# KiCad board Mun.kicad_pcb
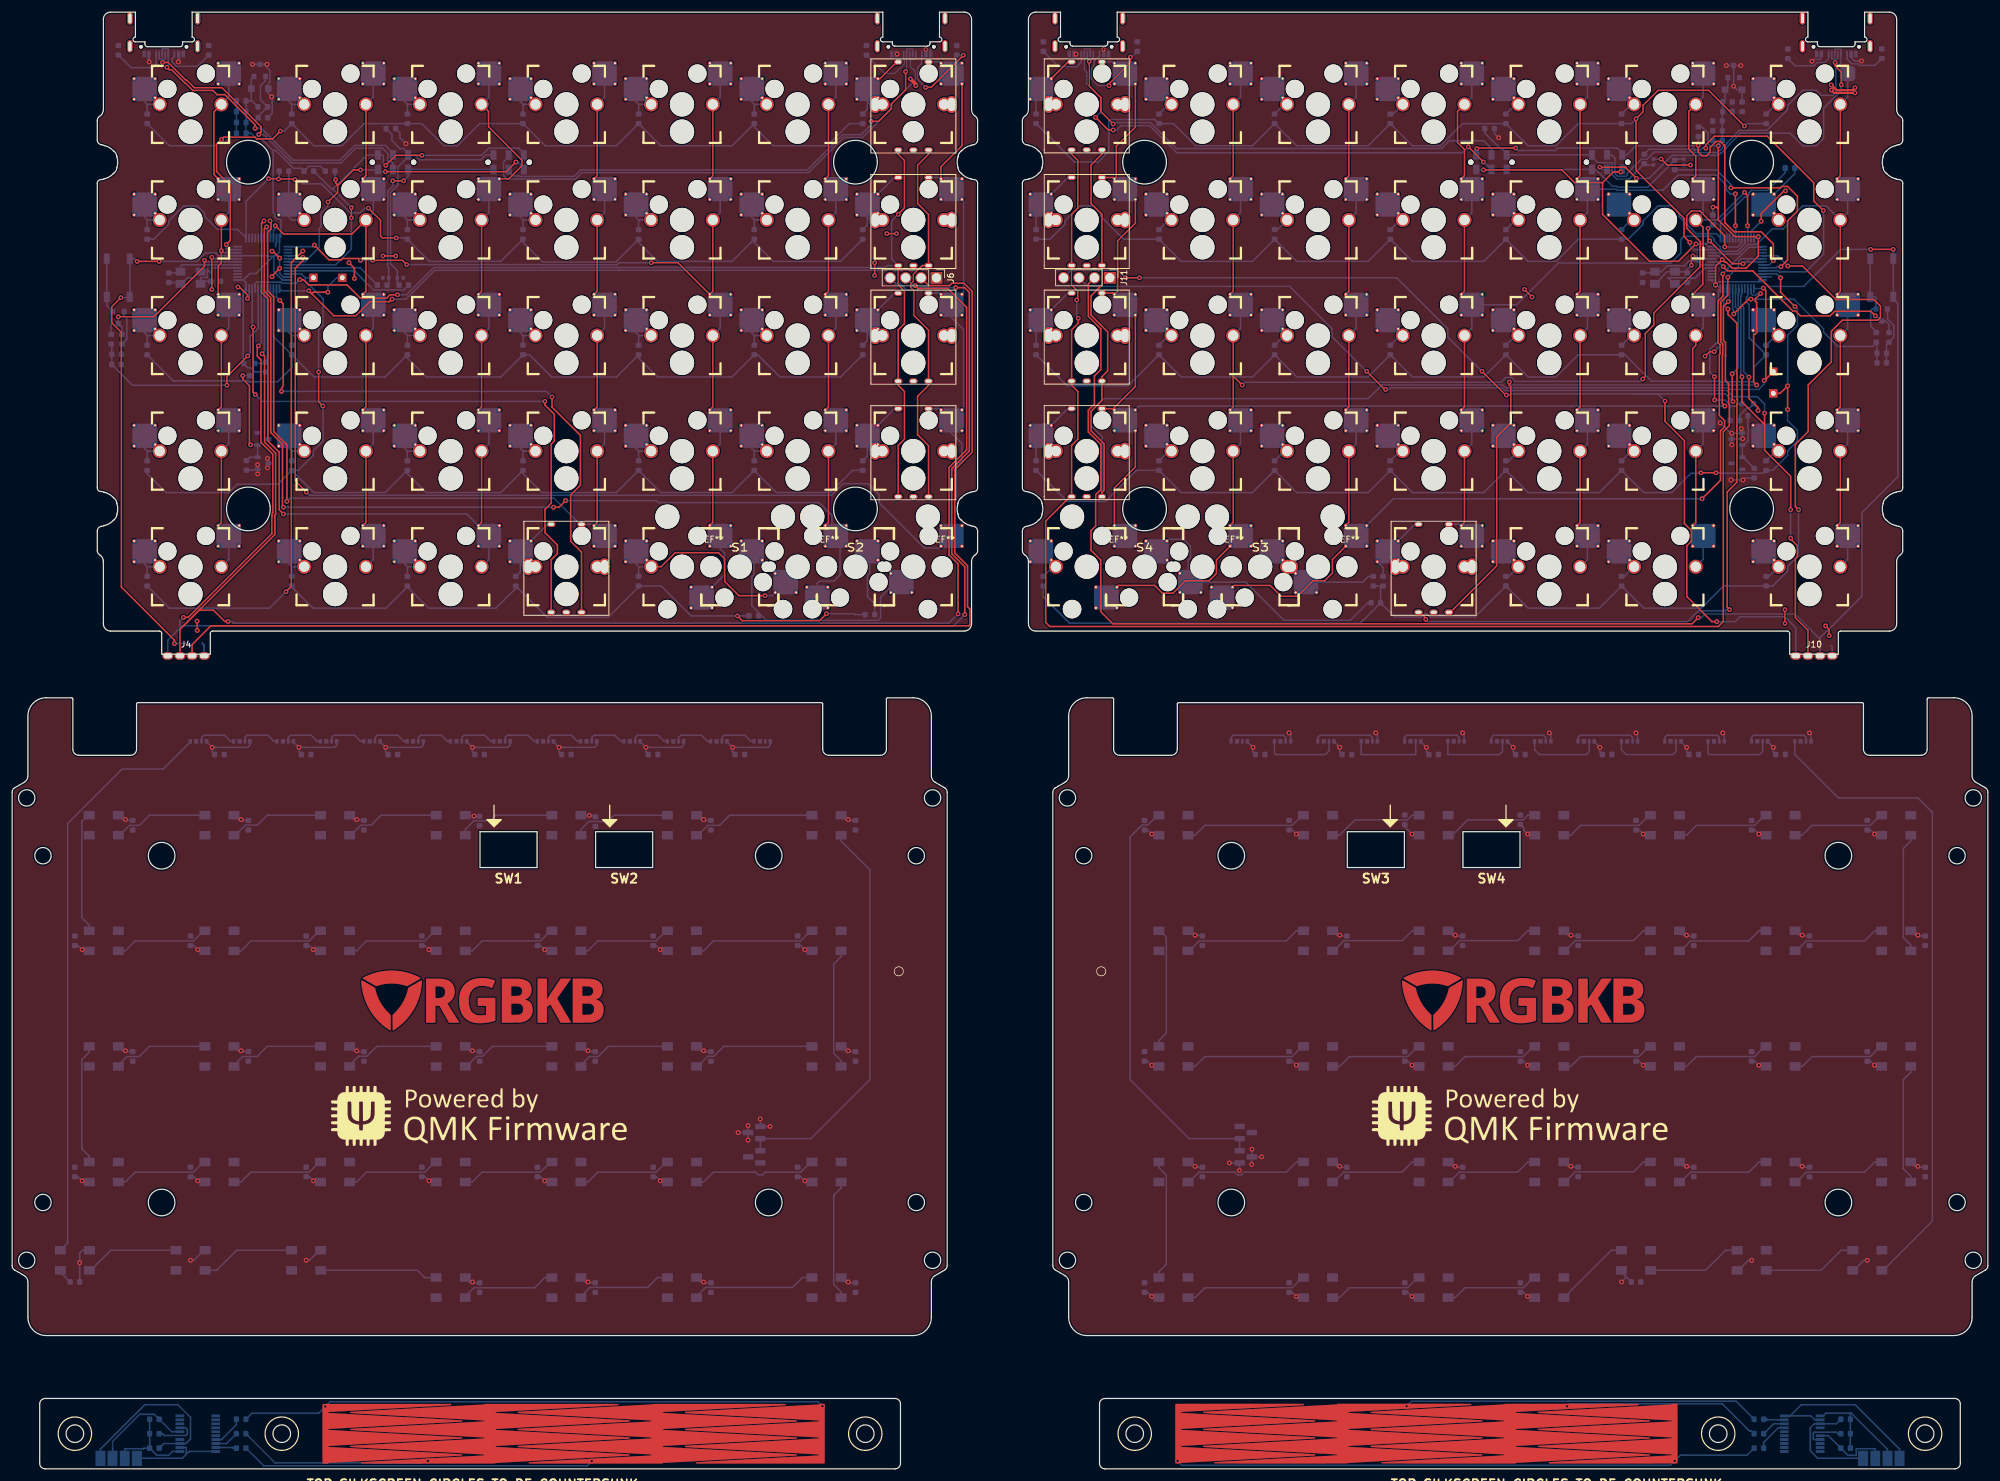
[diagram p0: board, top side]
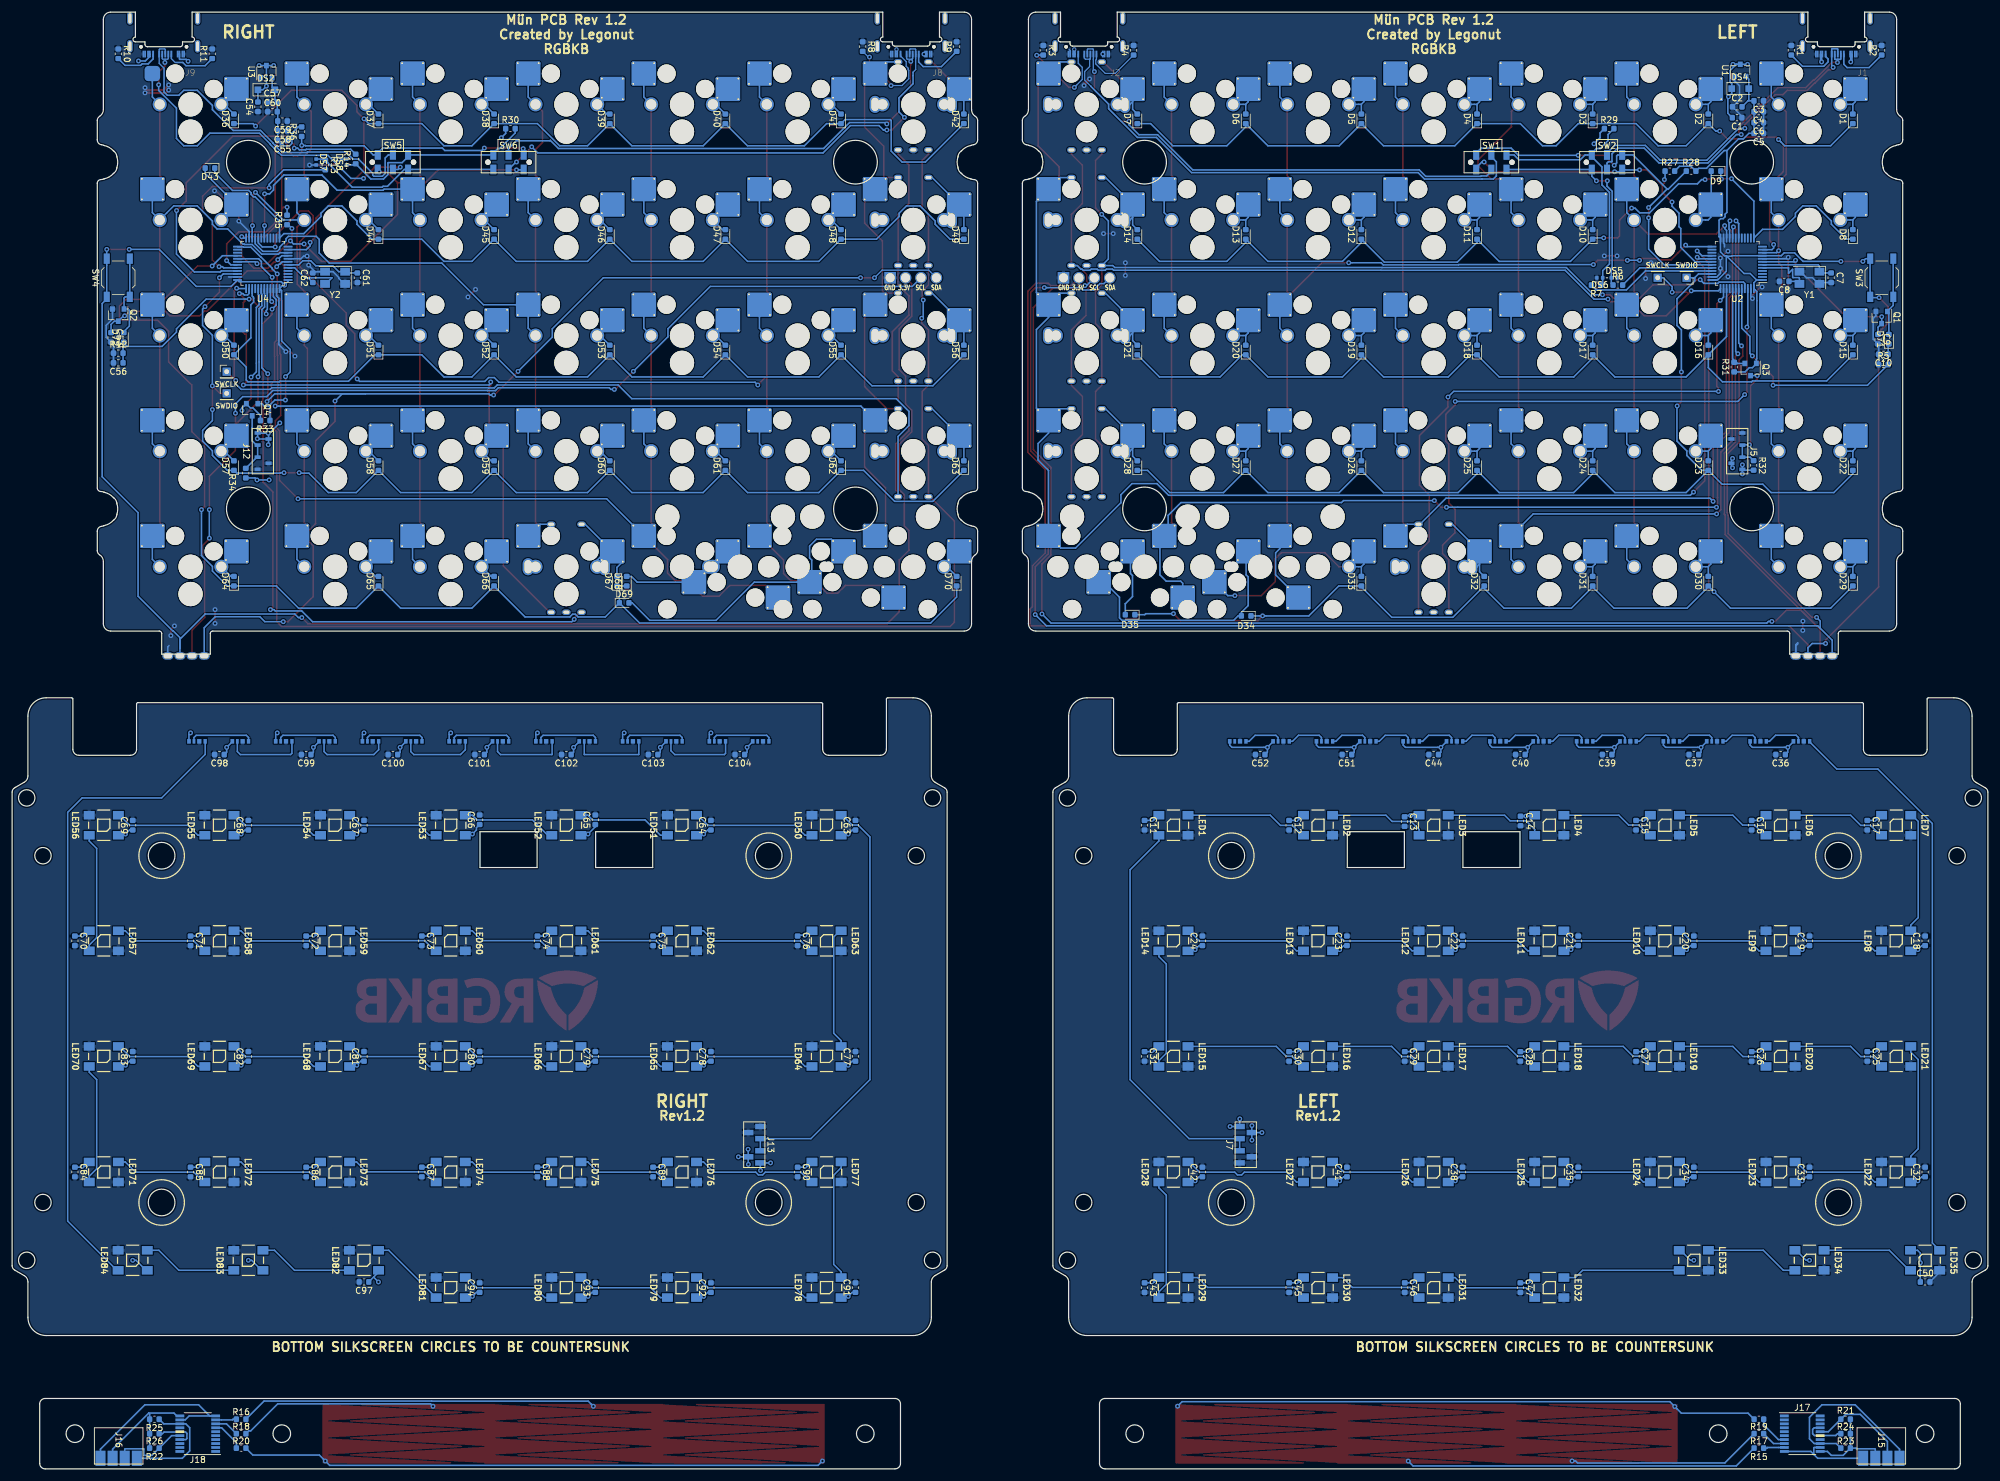
[diagram p1: board, bottom side, seen from below]

Outline 325.48 x 240.08 mm; copper layers: Top, Bottom. Coordinates in mm from the lower left corner of the outline.
Outline path: circle c2.4,110.58 r1.35 ; circle c2.4,34.38 r1.35 ; circle c5.07,101.05 r1.35 ; circle c5.07,43.9 r1.35 ; circle c10.34,5.8 r1.45 ; circle c24.63,101.05 r2.2 ; circle c24.63,43.9 r2.2 ; circle c38.91,215.35 r3.6 ; circle c38.91,158.2 r3.6 ; circle c44.42,5.8 r1.45 ; circle c124.64,101.05 r2.2 ; circle c124.64,43.9 r2.2 ; circle c138.93,215.35 r3.6 ; circle c138.93,158.2 r3.6 ; circle c140.54,5.8 r1.45 ; circle c148.95,101.05 r1.35 ; circle c148.95,43.9 r1.35 ; circle c151.62,110.58 r1.35 ; circle c151.62,34.38 r1.35 ; circle c173.85,110.58 r1.35 ; circle c173.85,34.38 r1.35 ; circle c176.53,101.05 r1.35 ; circle c176.53,43.9 r1.35 ; circle c184.93,5.8 r1.45 ; circle c186.55,215.35 r3.6 ; circle c186.55,158.2 r3.6 ; circle c200.84,101.05 r2.2 ; circle c200.84,43.9 r2.2 ; circle c281.06,5.8 r1.45 ; circle c286.56,215.35 r3.6 ; circle c286.56,158.2 r3.6 ; circle c300.85,101.05 r2.2 ; circle c300.85,43.9 r2.2 ; circle c315.14,5.8 r1.45 ; circle c320.4,101.05 r1.35 ; circle c320.4,43.9 r1.35 ; circle c323.08,110.58 r1.35 ; circle c323.08,34.38 r1.35 ; 0,111.54 arc(0.11,111.94) 0.4,112.23 2,113.16 arc(2.44,113.6) 2.6,114.2 2.6,124.08 arc(3.48,126.2) 5.6,127.08 9.8,127.08 arc(9.94,127.02) 10,126.88 10,118.6 arc(10.29,117.89) 11,117.6 19.5,117.6 arc(20.21,117.89) 20.5,118.6 20.5,126.08 arc(20.56,126.22) 20.7,126.28 133.32,126.28 arc(133.47,126.22) 133.52,126.08 133.52,118.6 arc(133.82,117.89) 134.52,117.6 143.03,117.6 arc(143.73,117.89) 144.03,118.6 144.03,126.88 arc(144.08,127.02) 144.23,127.08 148.43,127.08 arc(150.55,126.2) 151.43,124.08 151.43,114.2 arc(151.59,113.6) 152.03,113.16 153.62,112.23 arc(153.92,111.94) 154.03,111.54 154.03,33.47 arc(153.92,33.07) 153.62,32.77 152.03,31.85 arc(151.59,31.41) 151.43,30.81 151.43,24.98 arc(150.55,22.85) 148.43,21.98 5.6,21.98 arc(3.48,22.85) 2.6,24.98 2.6,30.81 arc(2.44,31.41) 2,31.85 0.4,32.77 arc(0.11,33.07) 0,33.47 0,111.54 ; 4.54,10.7 arc(4.8,11.34) 5.44,11.6 145.44,11.6 arc(146.08,11.34) 146.34,10.7 146.34,0.9 arc(146.08,0.26) 145.44,0 5.44,0 arc(4.8,0.26) 4.54,0.9 4.54,10.7 ; 14.03,222.22 arc(14.13,222.61) 14.41,222.9 arc(14.86,223.37) 15.03,224.01 15.03,238.88 arc(15.38,239.72) 16.23,240.08 20.31,240.08 20.31,235.98 arc(19.9,235.58) 20.31,235.18 21.88,235.18 21.88,234.78 arc(21.99,234.49) 22.28,234.38 27.68,234.38 arc(27.96,234.49) 28.08,234.78 28.08,235.18 29.65,235.18 arc(30.05,235.58) 29.65,235.98 29.65,240.08 143.43,240.08 143.43,235.98 arc(143.03,235.58) 143.43,235.18 145,235.18 145,234.88 arc(145.12,234.59) 145.4,234.48 150.8,234.48 arc(151.08,234.59) 151.2,234.88 151.2,235.18 152.77,235.18 arc(153.17,235.58) 152.77,235.98 152.77,240.08 156.85,240.08 arc(157.7,239.72) 158.05,238.88 158.05,224.01 arc(158.22,223.37) 158.67,222.9 arc(158.95,222.61) 159.05,222.22 159.05,219.01 arc(158.85,218.48) 158.34,218.22 arc(158.17,218.18) 158,218.13 arc(157.93,218.1) 157.86,218.08 arc(157.07,217.77) 156.41,217.25 arc(156.36,217.19) 156.31,217.15 arc(155.99,216.79) 155.83,216.33 arc(155.82,216.26) 155.8,216.19 arc(155.68,215.35) 155.8,214.51 arc(155.82,214.44) 155.83,214.37 arc(155.99,213.91) 156.31,213.55 arc(156.36,213.51) 156.41,213.45 arc(157.08,212.93) 157.86,212.62 arc(157.93,212.6) 158,212.57 arc(158.23,212.5) 158.48,212.48 arc(158.88,212.31) 159.05,211.9 159.05,161.65 arc(158.88,161.24) 158.48,161.07 arc(158.23,161.05) 158,160.98 arc(157.93,160.95) 157.86,160.93 arc(157.07,160.62) 156.41,160.1 arc(156.36,160.04) 156.31,160 arc(155.99,159.64) 155.83,159.18 arc(155.82,159.11) 155.8,159.04 arc(155.68,158.2) 155.8,157.36 arc(155.82,157.29) 155.83,157.22 arc(155.99,156.76) 156.31,156.4 arc(156.36,156.36) 156.41,156.3 arc(157.08,155.78) 157.86,155.47 arc(157.93,155.45) 158,155.42 arc(158.17,155.37) 158.34,155.33 arc(158.85,155.07) 159.05,154.54 159.05,151.33 arc(158.95,150.94) 158.67,150.65 arc(158.22,150.18) 158.05,149.54 158.05,139.28 arc(157.7,138.43) 156.85,138.08 33.04,138.08 arc(32.76,137.96) 32.64,137.68 32.64,134.28 24.64,134.28 24.64,137.68 arc(24.53,137.96) 24.24,138.08 16.23,138.08 arc(15.38,138.43) 15.03,139.28 15.03,149.54 arc(14.86,150.18) 14.41,150.65 arc(14.13,150.94) 14.03,151.33 14.03,154.54 arc(14.23,155.07) 14.74,155.33 arc(14.91,155.37) 15.07,155.42 arc(15.14,155.45) 15.21,155.47 arc(16,155.78) 16.66,156.3 arc(16.71,156.36) 16.77,156.4 arc(17.09,156.76) 17.24,157.22 arc(17.25,157.29) 17.27,157.36 arc(17.4,158.2) 17.27,159.04 arc(17.25,159.11) 17.24,159.18 arc(17.09,159.64) 16.77,160 arc(16.71,160.04) 16.66,160.1 arc(16,160.62) 15.21,160.93 arc(15.14,160.95) 15.07,160.98 arc(14.84,161.05) 14.6,161.07 arc(14.19,161.24) 14.03,161.65 14.03,211.9 arc(14.19,212.31) 14.6,212.48 arc(14.84,212.5) 15.07,212.57 arc(15.14,212.6) 15.21,212.62 arc(16,212.93) 16.66,213.45 arc(16.71,213.51) 16.77,213.55 arc(17.09,213.91) 17.24,214.37 arc(17.25,214.44) 17.27,214.51 arc(17.4,215.35) 17.27,216.19 arc(17.25,216.26) 17.24,216.33 arc(17.09,216.79) 16.77,217.15 arc(16.71,217.19) 16.66,217.25 arc(16,217.77) 15.21,218.08 arc(15.14,218.1) 15.07,218.13 arc(14.91,218.18) 14.74,218.22 arc(14.23,218.48) 14.03,219.01 14.03,222.22 ; 77.08,105 86.48,105 86.48,99.1 77.08,99.1 77.08,105 ; 96.13,105 105.53,105 105.53,99.1 96.13,99.1 96.13,105 ; 166.43,222.22 166.43,219.01 arc(166.63,218.48) 167.13,218.22 arc(167.31,218.18) 167.47,218.13 arc(167.54,218.1) 167.61,218.08 arc(168.4,217.77) 169.06,217.25 arc(169.11,217.19) 169.17,217.15 arc(169.49,216.79) 169.64,216.33 arc(169.65,216.26) 169.67,216.19 arc(169.8,215.35) 169.67,214.51 arc(169.65,214.44) 169.64,214.37 arc(169.49,213.91) 169.17,213.55 arc(169.11,213.51) 169.06,213.45 arc(168.4,212.93) 167.61,212.62 arc(167.54,212.6) 167.47,212.57 arc(167.24,212.5) 167,212.48 arc(166.59,212.31) 166.43,211.9 166.43,161.65 arc(166.59,161.24) 167,161.07 arc(167.24,161.05) 167.47,160.98 arc(167.54,160.95) 167.61,160.93 arc(168.4,160.62) 169.06,160.1 arc(169.11,160.04) 169.17,160 arc(169.49,159.64) 169.64,159.18 arc(169.65,159.11) 169.67,159.04 arc(169.8,158.2) 169.67,157.36 arc(169.65,157.29) 169.64,157.22 arc(169.49,156.76) 169.17,156.4 arc(169.11,156.36) 169.06,156.3 arc(168.4,155.78) 167.61,155.47 arc(167.54,155.45) 167.47,155.42 arc(167.31,155.37) 167.13,155.33 arc(166.63,155.07) 166.42,154.54 166.43,151.33 arc(166.53,150.94) 166.81,150.65 arc(167.26,150.18) 167.43,149.54 167.43,139.28 arc(167.78,138.43) 168.63,138.08 292.43,138.08 arc(292.71,137.96) 292.83,137.68 292.83,134.28 300.83,134.28 300.83,137.68 arc(300.95,137.96) 301.23,138.08 309.25,138.08 arc(310.1,138.43) 310.45,139.28 310.45,149.54 arc(310.62,150.18) 311.07,150.65 arc(311.35,150.94) 311.45,151.33 311.45,154.54 arc(311.25,155.07) 310.74,155.33 arc(310.57,155.37) 310.4,155.42 arc(310.33,155.45) 310.26,155.47 arc(309.48,155.78) 308.81,156.3 arc(308.76,156.36) 308.71,156.4 arc(308.39,156.76) 308.23,157.22 arc(308.22,157.29) 308.2,157.36 arc(308.07,158.2) 308.2,159.04 arc(308.22,159.11) 308.23,159.18 arc(308.39,159.64) 308.71,160 arc(308.76,160.04) 308.81,160.1 arc(309.48,160.62) 310.26,160.93 arc(310.33,160.95) 310.4,160.98 arc(310.63,161.05) 310.88,161.07 arc(311.28,161.24) 311.45,161.65 311.45,211.9 arc(311.28,212.31) 310.88,212.48 arc(310.63,212.5) 310.4,212.57 arc(310.33,212.6) 310.26,212.62 arc(309.48,212.93) 308.81,213.45 arc(308.76,213.51) 308.71,213.55 arc(308.39,213.91) 308.23,214.37 arc(308.22,214.44) 308.2,214.51 arc(308.07,215.35) 308.2,216.19 arc(308.22,216.26) 308.23,216.33 arc(308.39,216.79) 308.71,217.15 arc(308.76,217.19) 308.81,217.25 arc(309.48,217.77) 310.26,218.08 arc(310.33,218.1) 310.4,218.13 arc(310.57,218.18) 310.74,218.22 arc(311.25,218.48) 311.45,219.01 311.45,222.22 arc(311.35,222.61) 311.07,222.9 arc(310.62,223.37) 310.45,224.01 310.45,238.88 arc(310.1,239.72) 309.25,240.08 305.17,240.08 305.17,235.98 arc(305.57,235.58) 305.17,235.18 303.6,235.18 303.6,234.78 arc(303.48,234.49) 303.2,234.38 297.8,234.38 arc(297.52,234.49) 297.4,234.78 297.4,235.18 295.83,235.18 arc(295.43,235.58) 295.83,235.98 295.83,240.08 182.05,240.08 182.05,235.98 arc(182.44,235.58) 182.05,235.18 180.48,235.18 180.48,234.88 arc(180.36,234.59) 180.07,234.48 174.68,234.48 arc(174.39,234.59) 174.28,234.88 174.28,235.18 172.7,235.18 arc(172.3,235.58) 172.7,235.98 172.7,240.08 168.63,240.08 arc(167.78,239.72) 167.43,238.88 167.43,224.01 arc(167.26,223.37) 166.81,222.9 arc(166.53,222.61) 166.43,222.22 ; 171.45,111.54 171.45,33.47 arc(171.56,33.07) 171.85,32.77 173.45,31.85 arc(173.89,31.41) 174.05,30.81 174.05,24.98 arc(174.93,22.85) 177.05,21.98 319.88,21.98 arc(322,22.85) 322.88,24.98 322.88,30.81 arc(323.04,31.41) 323.48,31.85 325.08,32.77 arc(325.37,33.07) 325.48,33.47 325.48,111.54 arc(325.37,111.94) 325.08,112.23 323.48,113.16 arc(323.04,113.6) 322.88,114.2 322.88,124.08 arc(322,126.2) 319.88,127.08 315.68,127.08 arc(315.53,127.02) 315.48,126.88 315.48,118.6 arc(315.18,117.89) 314.48,117.6 305.98,117.6 arc(305.27,117.89) 304.98,118.6 304.98,126.08 arc(304.92,126.22) 304.78,126.28 192.15,126.28 arc(192.01,126.22) 191.95,126.08 191.95,118.6 arc(191.66,117.89) 190.95,117.6 182.45,117.6 arc(181.74,117.89) 181.45,118.6 181.45,126.88 arc(181.39,127.02) 181.25,127.08 177.05,127.08 arc(174.93,126.2) 174.05,124.08 174.05,114.2 arc(173.89,113.6) 173.45,113.16 171.85,112.23 arc(171.56,111.94) 171.45,111.54 ; 179.13,10.7 arc(179.39,11.34) 180.03,11.6 320.04,11.6 arc(320.67,11.34) 320.94,10.7 320.94,0.9 arc(320.67,0.26) 320.04,0 180.03,0 arc(179.39,0.26) 179.13,0.9 179.13,10.7 ; 219.95,105 229.35,105 229.35,99.1 219.95,99.1 219.95,105 ; 239,105 248.4,105 248.4,99.1 239,99.1 239,105

## Placement (name value [footprint] x y rotation side)
C1  100nF  [C_0603_1608Metric]  41.31 222.68 0 bottom
C2  100nF  [C_0603_1608Metric]  41.29 224.48 180 bottom
C3  100nF  [C_0603_1608Metric]  37.74 225.46 0 bottom
C4  100nF  [C_0603_1608Metric]  37.74 223.67 0 bottom
C5  100nF  [C_0603_1608Metric]  37.74 220.1 0 bottom
C6  4.7uF  [C_0603_1608Metric]  37.74 221.89 0 bottom
C7  22pF  [C_0603_1608Metric]  25.81 196.3 270 bottom
C8  22pF  [C_0603_1608Metric]  33.55 195.7 0 bottom
C9  4.7nF  [C_0603_1608Metric]  18.09 186.17 270 bottom
C10  10uF  [C_0603_1608Metric]  17.2 183.69 0 bottom
C11  100nF  [C_0603_1608Metric]  138.92 106.08 270 bottom
C12  100nF  [C_0603_1608Metric]  115.11 106.08 270 bottom
C13  100nF  [C_0603_1608Metric]  96.09 106.68 270 bottom
C14  100nF  [C_0603_1608Metric]  76.99 106.78 270 bottom
C15  100nF  [C_0603_1608Metric]  57.96 106.08 270 bottom
C16  100nF  [C_0603_1608Metric]  38.91 106.08 270 bottom
C17  100nF  [C_0603_1608Metric]  19.86 106.08 270 bottom
C18  100nF  [C_0603_1608Metric]  10.34 87.03 90 bottom
C19  100nF  [C_0603_1608Metric]  29.39 87.03 90 bottom
C20  100nF  [C_0603_1608Metric]  48.44 87.03 90 bottom
C21  100nF  [C_0603_1608Metric]  67.49 87.03 90 bottom
C22  100nF  [C_0603_1608Metric]  86.54 87.03 90 bottom
C23  100nF  [C_0603_1608Metric]  105.59 87.03 90 bottom
C24  100nF  [C_0603_1608Metric]  129.4 87.03 90 bottom
C25  100nF  [C_0603_1608Metric]  19.86 67.98 270 bottom
C26  100nF  [C_0603_1608Metric]  38.91 67.98 270 bottom
C27  100nF  [C_0603_1608Metric]  57.96 67.98 270 bottom
C28  100nF  [C_0603_1608Metric]  77.01 67.98 270 bottom
C29  100nF  [C_0603_1608Metric]  96.06 67.98 270 bottom
C30  100nF  [C_0603_1608Metric]  115.11 67.98 270 bottom
C31  100nF  [C_0603_1608Metric]  138.92 67.98 270 bottom
C32  100nF  [C_0603_1608Metric]  10.34 48.93 90 bottom
C33  100nF  [C_0603_1608Metric]  29.39 48.93 90 bottom
C34  100nF  [C_0603_1608Metric]  48.44 48.93 90 bottom
C35  100nF  [C_0603_1608Metric]  67.49 48.93 90 bottom
C36  100nF  [C_0603_1608Metric]  34.15 117.72 0 bottom
C37  100nF  [C_0603_1608Metric]  48.44 117.72 0 bottom
C38  100nF  [C_0603_1608Metric]  86.54 48.93 90 bottom
C39  100nF  [C_0603_1608Metric]  62.72 117.72 0 bottom
C40  100nF  [C_0603_1608Metric]  77.01 117.72 0 bottom
C41  100nF  [C_0603_1608Metric]  105.59 48.93 90 bottom
C42  100nF  [C_0603_1608Metric]  129.4 48.93 90 bottom
C43  100nF  [C_0603_1608Metric]  138.92 29.88 270 bottom
C44  100nF  [C_0603_1608Metric]  91.3 117.72 0 bottom
C45  100nF  [C_0603_1608Metric]  115.11 29.88 270 bottom
C46  100nF  [C_0603_1608Metric]  96.06 29.88 270 bottom
C47  100nF  [C_0603_1608Metric]  77.01 29.88 270 bottom
C50  100nF  [C_0603_1608Metric]  10.34 30.8 180 bottom
C51  100nF  [C_0603_1608Metric]  105.59 117.72 0 bottom
C52  100nF  [C_0603_1608Metric]  119.87 117.72 0 bottom
C53  4.7nF  [C_0603_1608Metric]  309.18 186.48 270 bottom
C54  100nF  [C_0603_1608Metric]  284.99 224.48 90 bottom
C55  100nF  [C_0603_1608Metric]  280.94 218.93 0 bottom
C56  10uF  [C_0603_1608Metric]  307.99 182.28 0 bottom
C57  100nF  [C_0603_1608Metric]  282.59 225.28 180 bottom
C58  100nF  [C_0603_1608Metric]  280.94 220.53 0 bottom
C59  100nF  [C_0603_1608Metric]  280.94 222.13 0 bottom
C60  4.7uF  [C_0603_1608Metric]  282.59 223.68 180 bottom
C61  22pF  [C_0603_1608Metric]  268.6 196.3 270 bottom
C62  22pF  [C_0603_1608Metric]  275.95 196.3 90 bottom
C63  100nF  [C_0603_1608Metric]  186.55 106.08 90 bottom
C64  100nF  [C_0603_1608Metric]  210.36 106.08 90 bottom
C65  100nF  [C_0603_1608Metric]  229.41 106.98 90 bottom
C66  100nF  [C_0603_1608Metric]  248.46 106.98 90 bottom
C67  100nF  [C_0603_1608Metric]  267.51 106.08 90 bottom
C68  100nF  [C_0603_1608Metric]  286.56 106.08 90 bottom
C69  100nF  [C_0603_1608Metric]  305.61 106.08 90 bottom
C70  100nF  [C_0603_1608Metric]  315.14 87.03 270 bottom
C71  100nF  [C_0603_1608Metric]  296.09 87.03 270 bottom
C72  100nF  [C_0603_1608Metric]  277.04 87.03 270 bottom
C73  100nF  [C_0603_1608Metric]  257.99 87.03 270 bottom
C74  100nF  [C_0603_1608Metric]  238.94 87.03 270 bottom
C75  100nF  [C_0603_1608Metric]  219.89 87.03 270 bottom
C76  100nF  [C_0603_1608Metric]  196.08 87.03 270 bottom
C77  100nF  [C_0603_1608Metric]  186.55 67.98 90 bottom
C78  100nF  [C_0603_1608Metric]  210.36 67.98 90 bottom
C79  100nF  [C_0603_1608Metric]  229.41 67.98 90 bottom
C80  100nF  [C_0603_1608Metric]  248.46 67.98 90 bottom
C81  100nF  [C_0603_1608Metric]  267.51 67.98 90 bottom
C82  100nF  [C_0603_1608Metric]  286.56 67.98 90 bottom
C83  100nF  [C_0603_1608Metric]  305.61 67.98 90 bottom
C84  100nF  [C_0603_1608Metric]  315.14 48.93 270 bottom
C85  100nF  [C_0603_1608Metric]  296.09 48.93 270 bottom
C86  100nF  [C_0603_1608Metric]  277.04 48.93 270 bottom
C87  100nF  [C_0603_1608Metric]  257.99 48.93 270 bottom
C88  100nF  [C_0603_1608Metric]  238.94 48.93 270 bottom
C89  100nF  [C_0603_1608Metric]  219.89 48.93 270 bottom
C90  100nF  [C_0603_1608Metric]  196.07 48.93 270 bottom
C91  100nF  [C_0603_1608Metric]  186.55 29.88 90 bottom
C92  100nF  [C_0603_1608Metric]  210.36 29.88 90 bottom
C93  100nF  [C_0603_1608Metric]  229.41 29.88 90 bottom
C94  100nF  [C_0603_1608Metric]  248.46 29.88 90 bottom
C97  100nF  [C_0603_1608Metric]  267.51 30.8 0 bottom
C98  100nF  [C_0603_1608Metric]  291.32 117.72 0 bottom
C99  100nF  [C_0603_1608Metric]  277.04 117.72 0 bottom
C100  100nF  [C_0603_1608Metric]  262.75 117.72 0 bottom
C101  100nF  [C_0603_1608Metric]  248.46 117.72 0 bottom
C102  100nF  [C_0603_1608Metric]  234.17 117.72 0 bottom
C103  100nF  [C_0603_1608Metric]  219.89 117.72 0 bottom
C104  100nF  [C_0603_1608Metric]  205.6 117.72 0 bottom
D1  D  [D_0603_1608Metric]  22.24 222.49 90 bottom
D2  D  [D_0603_1608Metric]  46.06 222.49 90 bottom
D3  D  [D_0603_1608Metric]  65.11 222.49 90 bottom
D4  D  [D_0603_1608Metric]  84.16 222.49 90 bottom
D5  D  [D_0603_1608Metric]  103.21 222.49 90 bottom
D6  D  [D_0603_1608Metric]  122.26 222.49 90 bottom
D7  D  [D_0603_1608Metric]  140.12 222.49 90 bottom
D8  D  [D_0603_1608Metric]  22.24 203.44 90 bottom
D9  D  [D_0603_1608Metric]  44.79 213.88 0 bottom
D10  D  [D_0603_1608Metric]  65.11 203.44 90 bottom
D11  D  [D_0603_1608Metric]  84.16 203.44 90 bottom
D12  D  [D_0603_1608Metric]  103.21 203.44 90 bottom
D13  D  [D_0603_1608Metric]  122.26 203.44 90 bottom
D14  D  [D_0603_1608Metric]  140.12 203.44 90 bottom
D15  D  [D_0603_1608Metric]  22.24 184.39 90 bottom
D16  D  [D_0603_1608Metric]  46.06 184.39 90 bottom
D17  D  [D_0603_1608Metric]  65.11 184.39 90 bottom
D18  D  [D_0603_1608Metric]  84.16 184.39 90 bottom
D19  D  [D_0603_1608Metric]  103.21 184.39 90 bottom
D20  D  [D_0603_1608Metric]  122.26 184.39 90 bottom
D21  D  [D_0603_1608Metric]  140.12 184.39 90 bottom
D22  D  [D_0603_1608Metric]  22.24 165.34 90 bottom
D23  D  [D_0603_1608Metric]  46.06 165.34 90 bottom
D24  D  [D_0603_1608Metric]  65.11 165.34 90 bottom
D25  D  [D_0603_1608Metric]  84.16 165.34 90 bottom
D26  D  [D_0603_1608Metric]  103.21 165.34 90 bottom
D27  D  [D_0603_1608Metric]  122.26 165.34 90 bottom
D28  D  [D_0603_1608Metric]  140.12 165.34 90 bottom
D29  D  [D_0603_1608Metric]  22.24 146.29 90 bottom
D30  D  [D_0603_1608Metric]  46.06 146.29 90 bottom
D31  D  [D_0603_1608Metric]  65.11 146.29 90 bottom
D32  D  [D_0603_1608Metric]  82.96 146.29 90 bottom
D33  D  [D_0603_1608Metric]  103.21 146.29 90 bottom
D34  D  [D_0603_1608Metric]  122.19 140.58 0 bottom
D35  D  [D_0603_1608Metric]  141.31 140.78 0 bottom
D36  D  [D_0603_1608Metric]  288.94 222.49 90 bottom
D37  D  [D_0603_1608Metric]  265.13 222.49 90 bottom
D38  D  [D_0603_1608Metric]  246.08 222.49 90 bottom
D39  D  [D_0603_1608Metric]  227.03 222.49 90 bottom
D40  D  [D_0603_1608Metric]  207.98 222.49 90 bottom
D41  D  [D_0603_1608Metric]  188.93 222.49 90 bottom
D42  D  [D_0603_1608Metric]  168.69 222.49 90 bottom
D43  D  [D_0603_1608Metric]  292.89 214.38 0 bottom
D44  D  [D_0603_1608Metric]  265.13 203.44 90 bottom
D45  D  [D_0603_1608Metric]  246.08 203.44 90 bottom
D46  D  [D_0603_1608Metric]  227.03 203.44 90 bottom
D47  D  [D_0603_1608Metric]  207.98 203.44 90 bottom
D48  D  [D_0603_1608Metric]  188.93 203.44 90 bottom
D49  D  [D_0603_1608Metric]  168.69 203.44 90 bottom
D50  D  [D_0603_1608Metric]  288.94 184.39 90 bottom
D51  D  [D_0603_1608Metric]  265.13 184.39 90 bottom
D52  D  [D_0603_1608Metric]  246.08 184.39 90 bottom
D53  D  [D_0603_1608Metric]  227.03 184.39 90 bottom
D54  D  [D_0603_1608Metric]  207.98 184.39 90 bottom
D55  D  [D_0603_1608Metric]  188.93 184.39 90 bottom
D56  D  [D_0603_1608Metric]  168.69 184.39 90 bottom
D57  D  [D_0603_1608Metric]  288.94 165.34 90 bottom
D58  D  [D_0603_1608Metric]  265.13 165.34 90 bottom
D59  D  [D_0603_1608Metric]  246.08 165.34 90 bottom
D60  D  [D_0603_1608Metric]  227.03 165.34 90 bottom
D61  D  [D_0603_1608Metric]  207.98 165.34 90 bottom
D62  D  [D_0603_1608Metric]  188.93 165.34 90 bottom
D63  D  [D_0603_1608Metric]  168.69 165.34 90 bottom
D64  D  [D_0603_1608Metric]  288.94 146.29 90 bottom
D65  D  [D_0603_1608Metric]  265.13 146.29 90 bottom
D66  D  [D_0603_1608Metric]  246.08 146.29 90 bottom
D67  D  [D_0603_1608Metric]  225.84 146.29 90 bottom
D68  D  [D_0603_1608Metric]  224.24 146.29 90 bottom
D69  D  [D_0603_1608Metric]  224.65 142.72 180 bottom
D70  D  [D_0603_1608Metric]  169.88 146.29 90 bottom
D71  D  [D_0603_1608Metric]  16.31 186.17 90 bottom
D72  D  [D_0603_1608Metric]  307.09 186.48 90 bottom
DS2  1N4007  [D_SOD-123F]  283.59 227.28 180 bottom
DS4  1N4007  [D_SOD-123F]  40.79 227.48 180 bottom
DS5  GG0402052R542P  [D_0402_1005Metric]  61.55 196.29 180 bottom
DS6  GG0402052R542P  [D_0402_1005Metric]  63.93 196.29 0 bottom
DS7  GG0402052R542P  [D_0402_1005Metric]  275.39 215.38 270 bottom
DS8  GG0402052R542P  [D_0402_1005Metric]  270.39 215.38 90 bottom
E1  -  [encoder]  148.47 224.86 270 top
E2  -  [encoder]  148.47 205.81 270 top
E3  -  [encoder]  148.47 186.76 270 top
E4  -  [encoder]  148.47 167.71 270 top
E5  -  [encoder]  91.3 148.67 270 top
E6  -  [encoder]  177.02 224.88 270 top
E7  -  [encoder]  177.02 205.83 270 top
E8  -  [encoder]  177.02 186.78 270 top
E9  -  [encoder]  177.02 167.73 270 top
E10  -  [encoder]  234.17 148.68 270 top
G***  LOGO  [Mun_touch_encoder_pads]  92.48 5.8 0 top
G***#2  LOGO  [Mun_touch_encoder_pads]  232.99 5.8 180 top
G***#3  LOGO  [QMK]  248.46 58.19 0 top
G***#4  LOGO  [QMK]  77.01 58.19 0 top
G***#5  LOGO  [RGBKB_CU]  248.46 77.24 0 top
G***#6  LOGO  [RGBKB_CU]  77.01 77.24 0 top
J1  USB_C_Receptacle  [HRO-TYPE-C-31-M-14]  24.97 234.37 0 bottom
J2  USB_C_Receptacle  [HRO-TYPE-C-31-M-14]  148.1 234.37 0 bottom
J4  Conn_01x04  [Landingpad_Horizontal_1x4]  28.64 134.38 0 top
J5  Conn_01x06  [00-9188-006spring]  41.29 167.72 90 bottom
J6  Conn_01x04  [PinHeader_1x04_P2.54mm_Vertical]  152.28 196.29 270 top
J7  Conn_01x06  [00-9188-006pads]  122.26 53.43 270 bottom
J8  USB_C_Receptacle  [HRO-TYPE-C-31-M-14]  177.37 234.37 0 bottom
J9  USB_C_Receptacle  [HRO-TYPE-C-31-M-14]  300.5 234.37 0 bottom
J10  Conn_01x04  [Landingpad_Horizontal_1x4]  296.83 134.38 0 top
J11  Conn_01x04  [PinHeader_1x04_P2.54mm_Vertical]  180.83 196.3 270 top
J12  Conn_01x06  [00-9188-006spring]  284.18 167.73 270 bottom
J13  Conn_01x06  [00-9188-006pads]  203.22 53.43 90 bottom
J15  -  [472861001]  17.55 3.78 90 bottom
J16  -  [472861001]  307.93 3.78 90 bottom
J17  AT42QT2120  [TSSOP-20_4.4x6.5mm_P0.65mm]  30.58 5.8 180 bottom
J18  AT42QT2120  [TSSOP-20_4.4x6.5mm_P0.65mm]  294.9 5.8 0 bottom
J19  SWDIO  [PinHeader_1x01_P2.00mm_Vertical]  290.13 177.25 180 bottom
J20  SWDIO  [PinHeader_1x01_P2.00mm_Vertical]  49.63 196.3 0 bottom
J21  SWCLK  [PinHeader_1x01_P2.00mm_Vertical]  290.13 180.82 180 bottom
J22  SWCLK  [PinHeader_1x01_P2.00mm_Vertical]  54.39 196.3 0 bottom
K1  KEYSW  [Mx_100_HS]  29.39 224.88 180 bottom
K2  KEYSW  [Mx_100_HS]  53.2 224.88 180 bottom
K3  KEYSW  [Mx_100_HS]  72.25 224.88 180 bottom
K4  KEYSW  [Mx_100_HS]  91.3 224.88 180 bottom
K5  KEYSW  [Mx_100_HS]  110.35 224.88 180 bottom
K6  KEYSW  [Mx_100_HS]  129.4 224.88 180 bottom
K7  KEYSW  [Mx_100_HS#2]  148.45 224.88 180 bottom
K8  KEYSW  [Mx_100_HS]  29.39 205.82 180 bottom
K9  KEYSW  [Mx_100_HS#6]  53.2 205.82 180 bottom
K10  KEYSW  [Mx_100_HS]  72.25 205.82 180 bottom
K11  KEYSW  [Mx_100_HS]  91.3 205.82 180 bottom
K12  KEYSW  [Mx_100_HS]  110.35 205.82 180 bottom
K13  KEYSW  [Mx_100_HS]  129.4 205.82 180 bottom
K14  KEYSW  [Mx_100_HS#7]  148.45 205.82 180 bottom
K15  KEYSW  [Mx_100_HS]  29.39 186.77 180 bottom
K16  KEYSW  [Mx_100_HS]  53.2 186.77 180 bottom
K17  KEYSW  [Mx_100_HS]  72.25 186.77 180 bottom
K18  KEYSW  [Mx_100_HS]  91.3 186.77 180 bottom
K19  KEYSW  [Mx_100_HS]  110.35 186.77 180 bottom
K20  KEYSW  [Mx_100_HS]  129.4 186.77 180 bottom
K21  KEYSW  [Mx_100_HS#7]  148.45 186.77 180 bottom
K22  KEYSW  [Mx_100_HS]  29.39 167.72 180 bottom
K23  KEYSW  [Mx_100_HS]  53.2 167.72 180 bottom
K24  KEYSW  [Mx_100_HS]  72.25 167.72 180 bottom
K25  KEYSW  [Mx_100_HS]  91.3 167.72 180 bottom
K26  KEYSW  [Mx_100_HS]  110.35 167.72 180 bottom
K27  KEYSW  [Mx_100_HS]  129.4 167.72 180 bottom
K28  KEYSW  [Mx_100_HS#7]  148.45 167.72 180 bottom
K29  KEYSW  [Mx_100_HS]  29.39 148.67 180 bottom
K30  KEYSW  [Mx_100_HS]  53.2 148.67 180 bottom
K31  KEYSW  [Mx_100_HS]  72.25 148.67 180 bottom
K32  KEYSW  [Mx_100_HS#7]  91.3 148.67 180 bottom
K33  KEYSW  [Mx_100_HS#8]  110.35 148.67 180 bottom
K34  KEYSW  [Mx_100_HS#3]  129.4 148.67 180 bottom
K35  KEYSW  [Mx_100_HS#3]  148.45 148.67 180 bottom
K36  KEYSW  [Mx_100_HS#5]  296.09 224.88 180 bottom
K37  KEYSW  [Mx_100_HS]  272.27 224.88 180 bottom
K38  KEYSW  [Mx_100_HS]  253.22 224.88 180 bottom
K39  KEYSW  [Mx_100_HS]  234.17 224.88 180 bottom
K40  KEYSW  [Mx_100_HS]  215.12 224.88 180 bottom
K41  KEYSW  [Mx_100_HS]  196.07 224.88 180 bottom
K42  KEYSW  [Mx_100_HS#7]  177.02 224.88 180 bottom
K43  KEYSW  [Mx_100_HS]  296.09 205.83 180 bottom
K44  KEYSW  [Mx_100_HS]  272.27 205.83 180 bottom
K45  KEYSW  [Mx_100_HS]  253.22 205.83 180 bottom
K46  KEYSW  [Mx_100_HS]  234.17 205.83 180 bottom
K47  KEYSW  [Mx_100_HS]  215.12 205.83 180 bottom
K48  KEYSW  [Mx_100_HS]  196.07 205.83 180 bottom
K49  KEYSW  [Mx_100_HS#7]  177.02 205.83 180 bottom
K50  KEYSW  [Mx_100_HS]  296.09 186.78 180 bottom
K51  KEYSW  [Mx_100_HS]  272.27 186.78 180 bottom
K52  KEYSW  [Mx_100_HS]  253.22 186.78 180 bottom
K53  KEYSW  [Mx_100_HS]  234.17 186.78 180 bottom
K54  KEYSW  [Mx_100_HS]  215.12 186.78 180 bottom
K55  KEYSW  [Mx_100_HS]  196.07 186.78 180 bottom
K56  KEYSW  [Mx_100_HS#7]  177.02 186.78 180 bottom
K57  KEYSW  [Mx_100_HS]  296.09 167.73 180 bottom
K58  KEYSW  [Mx_100_HS]  272.27 167.73 180 bottom
K59  KEYSW  [Mx_100_HS]  253.22 167.73 180 bottom
K60  KEYSW  [Mx_100_HS]  234.17 167.73 180 bottom
K61  KEYSW  [Mx_100_HS]  215.12 167.73 180 bottom
K62  KEYSW  [Mx_100_HS]  196.07 167.73 180 bottom
K63  KEYSW  [Mx_100_HS#7]  177.02 167.73 180 bottom
K64  KEYSW  [Mx_100_HS]  296.09 148.68 180 bottom
K65  KEYSW  [Mx_100_HS]  272.27 148.68 180 bottom
K66  KEYSW  [Mx_100_HS]  253.22 148.68 180 bottom
K67  KEYSW  [Mx_100_HS#7]  234.17 148.68 180 bottom
K68  KEYSW  [Mx_100_HS#8]  215.12 148.68 180 bottom
K69  KEYSW  [Mx_100_HS#4]  196.07 148.68 180 bottom
K70  KEYSW  [Mx_100_HS#8]  177.02 148.68 180 bottom
K71  KEYSW  [Mx_100_HS#4]  119.87 148.67 0 bottom
K72  KEYSW  [Mx_100_HS#4]  138.92 148.67 0 bottom
K73  KEYSW  [Mx_100_HS#8]  205.6 148.68 0 bottom
K74  KEYSW  [Mx_100_HS#4]  186.55 148.68 0 bottom
LED1  Val**  [WS2812B]  134.16 106.08 270 bottom
LED2  Val**  [WS2812B]  110.35 106.08 270 bottom
LED3  Val**  [WS2812B]  91.3 106.08 270 bottom
LED4  Val**  [WS2812B]  72.25 106.08 270 bottom
LED5  Val**  [WS2812B]  53.2 106.08 270 bottom
LED6  Val**  [WS2812B]  34.15 106.08 270 bottom
LED7  Val**  [WS2812B]  15.1 106.08 270 bottom
LED8  Val**  [WS2812B]  15.1 87.03 90 bottom
LED9  Val**  [WS2812B]  34.15 87.03 90 bottom
LED10  Val**  [WS2812B]  53.2 87.03 90 bottom
LED11  Val**  [WS2812B]  72.25 87.03 90 bottom
LED12  Val**  [WS2812B]  91.3 87.03 90 bottom
LED13  Val**  [WS2812B]  110.35 87.03 90 bottom
LED14  Val**  [WS2812B]  134.16 87.03 90 bottom
LED15  Val**  [WS2812B]  134.16 67.98 270 bottom
LED16  Val**  [WS2812B]  110.35 67.98 270 bottom
LED17  Val**  [WS2812B]  91.3 67.98 270 bottom
LED18  Val**  [WS2812B]  72.25 67.98 270 bottom
LED19  Val**  [WS2812B]  53.2 67.98 270 bottom
LED20  Val**  [WS2812B]  34.15 67.98 270 bottom
LED21  Val**  [WS2812B]  15.1 67.98 270 bottom
LED22  Val**  [WS2812B]  15.1 48.93 90 bottom
LED23  Val**  [WS2812B]  34.15 48.93 90 bottom
LED24  Val**  [WS2812B]  53.2 48.93 90 bottom
LED25  Val**  [WS2812B]  72.25 48.93 90 bottom
LED26  Val**  [WS2812B]  91.3 48.93 90 bottom
LED27  Val**  [WS2812B]  110.35 48.93 90 bottom
LED28  Val**  [WS2812B]  134.16 48.93 90 bottom
LED29  Val**  [WS2812B]  134.16 29.88 270 bottom
LED30  Val**  [WS2812B]  110.35 29.88 270 bottom
LED31  Val**  [WS2812B]  91.3 29.88 270 bottom
LED32  Val**  [WS2812B]  72.25 29.88 270 bottom
LED33  Val**  [WS2812B]  48.44 34.37 270 bottom
LED34  Val**  [WS2812B]  29.39 34.37 270 bottom
LED35  Val**  [WS2812B]  10.34 34.37 270 bottom
LED36  WS2812B  [SK6812-SIDE]  30.58 120.1 180 bottom
LED37  WS2812B  [SK6812-SIDE]  37.72 120.1 180 bottom
LED38  WS2812B  [SK6812-SIDE]  44.86 120.1 180 bottom
LED39  WS2812B  [SK6812-SIDE]  52.01 120.1 180 bottom
LED40  WS2812B  [SK6812-SIDE]  59.15 120.1 180 bottom
LED41  WS2812B  [SK6812-SIDE]  66.3 120.1 180 bottom
LED42  WS2812B  [SK6812-SIDE]  73.44 120.1 180 bottom
LED43  WS2812B  [SK6812-SIDE]  80.58 120.1 180 bottom
LED44  WS2812B  [SK6812-SIDE]  87.73 120.1 180 bottom
LED45  WS2812B  [SK6812-SIDE]  94.87 120.1 180 bottom
LED46  WS2812B  [SK6812-SIDE]  102.01 120.1 180 bottom
LED47  WS2812B  [SK6812-SIDE]  109.16 120.1 180 bottom
LED48  WS2812B  [SK6812-SIDE]  116.3 120.1 180 bottom
LED49  WS2812B  [SK6812-SIDE]  123.45 120.1 180 bottom
LED50  Val**  [WS2812B]  191.31 106.08 90 bottom
LED51  Val**  [WS2812B]  215.12 106.08 90 bottom
LED52  Val**  [WS2812B]  234.17 106.08 90 bottom
LED53  Val**  [WS2812B]  253.22 106.08 90 bottom
LED54  Val**  [WS2812B]  272.27 106.08 90 bottom
LED55  Val**  [WS2812B]  291.32 106.08 90 bottom
LED56  Val**  [WS2812B]  310.37 106.08 90 bottom
LED57  Val**  [WS2812B]  310.38 87.03 270 bottom
LED58  Val**  [WS2812B]  291.32 87.03 270 bottom
LED59  Val**  [WS2812B]  272.27 87.03 270 bottom
LED60  Val**  [WS2812B]  253.22 87.03 270 bottom
LED61  Val**  [WS2812B]  234.17 87.03 270 bottom
LED62  Val**  [WS2812B]  215.12 87.03 270 bottom
LED63  Val**  [WS2812B]  191.31 87.03 270 bottom
LED64  Val**  [WS2812B]  191.31 67.98 90 bottom
LED65  Val**  [WS2812B]  215.12 67.98 90 bottom
LED66  Val**  [WS2812B]  234.17 67.98 90 bottom
LED67  Val**  [WS2812B]  253.22 67.98 90 bottom
LED68  Val**  [WS2812B]  272.27 67.98 90 bottom
LED69  Val**  [WS2812B]  291.32 67.98 90 bottom
LED70  Val**  [WS2812B]  310.37 67.98 90 bottom
LED71  Val**  [WS2812B]  310.37 48.93 270 bottom
LED72  Val**  [WS2812B]  291.32 48.93 270 bottom
LED73  Val**  [WS2812B]  272.27 48.93 270 bottom
LED74  Val**  [WS2812B]  253.22 48.93 270 bottom
LED75  Val**  [WS2812B]  234.17 48.93 270 bottom
LED76  Val**  [WS2812B]  215.12 48.93 270 bottom
LED77  Val**  [WS2812B]  191.31 48.93 270 bottom
LED78  Val**  [WS2812B]  191.31 29.88 90 bottom
LED79  Val**  [WS2812B]  215.12 29.88 90 bottom
LED80  Val**  [WS2812B]  234.17 29.88 90 bottom
LED81  Val**  [WS2812B]  253.22 29.88 90 bottom
LED82  Val**  [WS2812B]  267.51 34.37 90 bottom
LED83  Val**  [WS2812B]  286.56 34.37 90 bottom
LED84  Val**  [WS2812B]  305.61 34.37 90 bottom
LED85  WS2812B  [SK6812-SIDE]  294.9 120.1 180 bottom
LED86  WS2812B  [SK6812-SIDE]  287.75 120.1 180 bottom
LED87  WS2812B  [SK6812-SIDE]  280.61 120.1 180 bottom
LED88  WS2812B  [SK6812-SIDE]  273.46 120.1 180 bottom
LED89  WS2812B  [SK6812-SIDE]  266.32 120.1 180 bottom
LED90  WS2812B  [SK6812-SIDE]  259.18 120.1 180 bottom
LED91  WS2812B  [SK6812-SIDE]  252.03 120.1 180 bottom
LED92  WS2812B  [SK6812-SIDE]  244.89 120.1 180 bottom
LED93  WS2812B  [SK6812-SIDE]  237.75 120.1 180 bottom
LED94  WS2812B  [SK6812-SIDE]  230.6 120.1 180 bottom
LED95  WS2812B  [SK6812-SIDE]  223.46 120.1 180 bottom
LED96  WS2812B  [SK6812-SIDE]  216.31 120.1 180 bottom
LED97  WS2812B  [SK6812-SIDE]  209.17 120.1 180 bottom
LED98  WS2812B  [SK6812-SIDE]  202.03 120.1 180 bottom